# KiCad board plz actually have soldermask.kicad_pcb (continued)
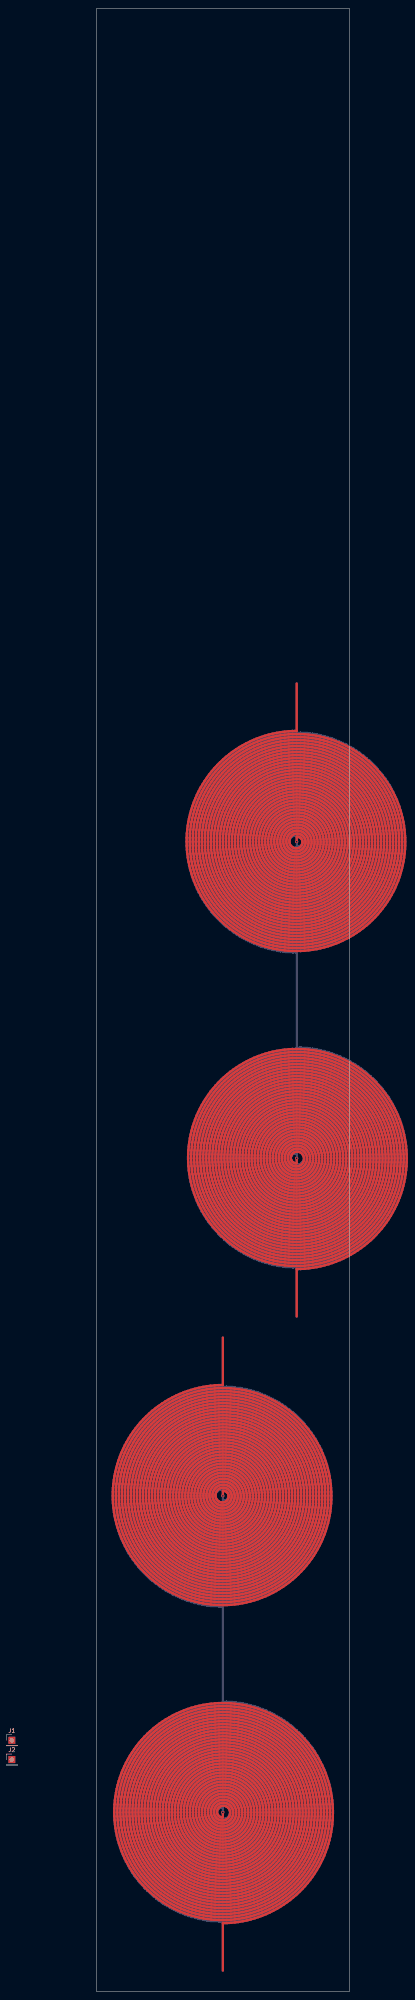
[diagram p0: board, top side]
## Routing (per net, layer and track width the routed paths; a pad name or vN(x,y) marks a point on that pad's centre or on a via; arc(x,y) is an arc through that point) (continued)
21.54,131.38 22.25,131.89 22.99,132.35 23.75,132.77 24.54,133.15 25.35,133.48 26.18,133.76 27.02,133.99 27.87,134.17 28.74,134.3 29.61,134.39 30.48,134.42 31.32,134.4 32.17,134.34 33,134.23 33.83,134.07 34.65,133.86 35.46,133.61 36.25,133.32 37.03,132.98 37.78,132.59 38.52,132.17 39.22,131.7 39.91,131.2 40.56,130.66 41.18,130.08 41.77,129.47 42.32,128.82 42.84,128.15 43.31,127.44 43.75,126.71 44.15,125.96 44.5,125.19 44.81,124.39 45.08,123.58 45.29,122.76 45.47,121.93 45.59,121.08 45.67,120.23 45.7,119.38 45.68,118.53 45.62,117.67 45.51,116.83 45.35,115.99 45.14,115.16 44.88,114.34 44.59,113.54 44.24,112.75 43.85,111.99 43.42,111.25 42.95,110.53 42.44,109.84 41.89,109.18 41.31,108.55 40.69,107.96 40.04,107.4 39.35,106.88 38.64,106.39 37.9,105.95 37.14,105.55 36.36,105.19 35.55,104.88 34.74,104.61 33.9,104.39 33.06,104.21 32.2,104.09 31.34,104.01 30.48,103.98 29.62,103.99 28.75,104.06 27.9,104.17 27.05,104.34 26.21,104.55 25.38,104.8 24.57,105.11 23.77,105.46 23,105.85 22.25,106.28 21.53,106.76 20.83,107.28 20.16,107.83 19.52,108.42 18.92,109.05 18.36,109.71 17.83,110.4 17.34,111.12 16.89,111.87 16.48,112.64 16.12,113.43 15.81,114.25 15.54,115.07 15.31,115.92 15.13,116.77 15.01,117.64 14.93,118.51 14.89,119.38 14.91,120.25 14.98,121.13 15.1,121.99 15.26,122.85 15.47,123.7 15.73,124.54 16.04,125.36 16.39,126.16 16.79,126.95 17.23,127.71 17.71,128.44 18.23,129.15 18.8,129.82 19.4,130.46 20.03,131.07 20.7,131.65 21.4,132.18 22.13,132.68 22.88,133.13 23.66,133.54 24.46,133.9 25.29,134.23 26.12,134.5 26.98,134.73 27.84,134.91 28.72,135.03 29.6,135.12 30.48,135.15 31.33,135.13 32.19,135.07 33.03,134.96 33.87,134.8 34.71,134.6 35.53,134.36 36.33,134.07 37.12,133.74 37.89,133.36 38.64,132.94 39.37,132.49 40.07,131.99 40.74,131.46 41.38,130.89 42,130.29 42.57,129.65 43.12,128.99 43.62,128.29 44.09,127.57 44.52,126.82 44.91,126.06 45.26,125.27 45.56,124.46 45.82,123.64 46.03,122.8 46.2,121.96 46.32,121.1 46.4,120.24 46.43,119.38 46.41,118.52 46.35,117.65 46.24,116.8 46.08,115.95 45.88,115.1 45.63,114.28 45.34,113.46 45,112.66 44.62,111.88 44.2,111.13 43.74,110.39 43.24,109.68 42.7,109 42.12,108.35 41.51,107.73 40.87,107.15 40.2,106.6 39.49,106.09 38.76,105.61 38.01,105.18 37.23,104.79 36.43,104.44 35.62,104.13 34.79,103.87 33.94,103.65 33.09,103.48 32.22,103.36 31.35,103.28 30.48,103.25 29.61,103.27 28.73,103.33 27.87,103.44 27.01,103.6 26.16,103.81 25.32,104.06 24.49,104.35 23.69,104.69 22.9,105.08 22.13,105.5 21.39,105.97 20.67,106.48 19.98,107.02 19.33,107.61 18.7,108.22 18.11,108.87 17.55,109.55 17.04,110.26 16.56,111 16.12,111.77 15.72,112.55 15.37,113.36 15.06,114.18 14.79,115.02 14.57,115.88 14.4,116.74 14.28,117.62 14.2,118.5 14.17,119.38 14.19,120.26 14.25,121.15 14.36,122.02 14.52,122.89 14.73,123.75 14.99,124.6 15.29,125.43 15.63,126.25 16.02,127.05 16.45,127.82 16.92,128.57 17.43,129.3 17.99,129.99 18.57,130.66 19.2,131.29 19.85,131.89 20.54,132.45 21.26,132.97 22.01,133.46 22.78,133.9 23.58,134.3 24.39,134.66 25.23,134.97 26.08,135.24 26.94,135.46 27.81,135.64 28.7,135.76 29.59,135.84 30.48,135.87 31.34,135.86 32.21,135.8 33.06,135.69 33.91,135.54 34.76,135.34 35.59,135.1 36.41,134.82 37.21,134.49 37.99,134.12 38.76,133.72 39.5,133.27 40.22,132.78 40.91,132.26 41.57,131.7 42.21,131.11 42.81,130.48 43.38,129.82 43.91,129.14 44.41,128.43 44.87,127.69 45.29,126.93 45.67,126.14 46.01,125.34 46.31,124.52 46.56,123.69 46.77,122.84 46.93,121.99 47.05,121.12 47.13,120.25 47.16,119.38 47.14,118.51 47.08,117.64 46.97,116.77 46.82,115.91 46.62,115.06 46.37,114.22 46.09,113.39 45.76,112.58 45.39,111.78 44.97,111.01 44.52,110.26 44.03,109.54 43.5,108.84 42.94,108.16 42.34,107.52 41.7,106.92 41.04,106.34 40.35,105.8 39.62,105.3 38.88,104.83 38.11,104.41 37.32,104.02 36.51,103.68 35.68,103.38 34.84,103.13 33.98,102.91 33.11,102.75 32.24,102.63 31.36,102.55 30.48,102.52 29.6,102.54 28.72,102.6 27.84,102.71 26.97,102.87 26.11,103.07 25.26,103.31 24.42,103.6 23.6,103.94 22.8,104.31 22.02,104.73 21.26,105.19 20.53,105.68 19.82,106.22 19.14,106.79 18.5,107.4 17.88,108.04 17.3,108.71 16.75,109.41 16.25,110.14 15.78,110.89 15.35,111.67 14.96,112.47 14.61,113.29 14.31,114.13 14.05,114.98 13.84,115.84 13.67,116.72 13.55,117.6 13.47,118.49 13.44,119.38 13.46,120.27 13.52,121.16 13.63,122.05 13.79,122.93 13.99,123.8 14.24,124.66 14.53,125.5 14.87,126.33 15.25,127.14 15.67,127.93 16.13,128.7 16.64,129.44 17.18,130.15 17.75,130.84 18.37,131.49 19.01,132.11 19.69,132.7 20.4,133.25 21.14,133.77 21.9,134.24 22.69,134.68 23.5,135.07 24.32,135.42 25.17,135.72 26.03,135.98 26.9,136.2 27.79,136.37 28.68,136.49 29.58,136.57 30.48,136.6 31.35,136.58 32.22,136.52 33.09,136.42 33.95,136.27 34.8,136.08 35.65,135.84 36.48,135.57 37.29,135.25 38.09,134.89 38.87,134.49 39.62,134.05 40.36,133.57 41.07,133.06 41.75,132.51 42.41,131.93 43.03,131.31 43.62,130.66 44.18,129.99 44.71,129.28 45.19,128.55 45.64,127.8 46.06,127.02 46.43,126.22 46.76,125.41 47.05,124.58 47.3,123.73 47.5,122.88 47.66,122.01 47.78,121.14 47.85,120.26 47.88,119.38 47.87,118.5 47.81,117.62 47.7,116.74 47.55,115.87 47.36,115.01 47.12,114.16 46.84,113.32 46.52,112.5 46.15,111.69 45.75,110.91 45.3,110.14 44.82,109.4 44.3,108.68 43.75,107.99 43.16,107.33 42.53,106.7 41.88,106.1 41.2,105.53 40.49,105.01 39.75,104.51 38.99,104.06 38.2,103.64 37.4,103.26 36.57,102.93 35.73,102.64 34.88,102.39 34.02,102.18 33.14,102.02 32.26,101.9 31.37,101.82 30.48,101.8 29.59,101.81 28.7,101.87 27.81,101.98 26.94,102.13 26.07,102.33 25.21,102.57 24.36,102.85 23.53,103.18 22.71,103.55 21.92,103.95 21.14,104.4 20.39,104.89 19.67,105.41 18.97,105.98 18.3,106.57 17.67,107.2 17.06,107.86 16.49,108.55 15.96,109.27 15.46,110.02 15,110.79 14.58,111.58 14.2,112.39 13.86,113.22 13.56,114.07 13.31,114.93 13.1,115.81 12.94,116.69 12.82,117.58 12.74,118.48 12.71,119.38 12.73,120.28 12.79,121.18 12.9,122.07 13.05,122.96 13.25,123.84 13.49,124.71 13.78,125.56 14.11,126.4 14.48,127.23 14.89,128.03 15.35,128.81 15.84,129.57 16.37,130.3 16.94,131.01 17.54,131.68 18.18,132.32 18.84,132.94 19.54,133.51 20.27,134.05 21.02,134.56 21.8,135.02 22.6,135.45 23.42,135.83 24.26,136.17 25.12,136.47 25.99,136.73 26.87,136.94 27.76,137.1 28.67,137.22 29.57,137.3 30.48,137.33 31.36,137.31 32.24,137.25 33.12,137.15 33.99,137.01 34.85,136.82 35.7,136.59 36.54,136.32 37.37,136 38.18,135.65 38.97,135.26 39.74,134.83 40.49,134.36 41.22,133.86 41.92,133.32 42.59,132.74 43.24,132.14 43.85,131.5 44.43,130.83 44.98,130.14 45.5,129.41 45.98,128.67 46.42,127.9 46.82,127.11 47.19,126.3 47.51,125.47 47.8,124.63 48.04,123.78 48.24,122.91 48.4,122.04 48.51,121.16 48.58,120.27 48.61,119.38 48.59,118.49 48.53,117.6 48.43,116.72 48.28,115.84 48.09,114.97 47.86,114.11 47.59,113.26 47.27,112.42 46.92,111.61 46.52,110.81 46.08,110.03 45.61,109.27 45.1,108.54 44.56,107.83 43.98,107.15 43.36,106.5 42.72,105.88 42.05,105.29 41.34,104.73 40.62,104.21 39.86,103.73 39.09,103.28 38.29,102.87 37.47,102.5 36.64,102.18 35.79,101.89 34.92,101.64 34.05,101.44 33.16,101.28 32.27,101.17 31.38,101.1 30.48,101.07 29.58,101.08 28.68,101.15 27.79,101.25 26.9,101.4 26.02,101.59 25.15,101.82 24.3,102.1 23.46,102.42 22.63,102.78 21.82,103.18 21.03,103.62 20.27,104.1 19.53,104.61 18.81,105.16 18.13,105.75 17.47,106.37 16.84,107.02 16.25,107.7 15.69,108.41 15.16,109.14 14.67,109.9 14.22,110.69 13.81,111.49 13.44,112.32 13.11,113.16 12.82,114.02 12.57,114.89 12.36,115.78 12.2,116.67 12.09,117.57 12.01,118.47 11.99,119.38 12,120.29 12.06,121.19 12.17,122.1 12.32,122.99 12.51,123.88 12.75,124.76 13.03,125.62 13.35,126.47 13.72,127.31 14.12,128.12 14.56,128.92 15.05,129.69 15.57,130.44 16.12,131.16 16.71,131.86 17.34,132.52 18,133.15 18.68,133.75 19.4,134.32 20.14,134.85 20.91,135.34 21.7,135.8 22.52,136.22 23.35,136.59 24.2,136.93 25.07,137.22 25.95,137.47 26.84,137.67 27.74,137.84 28.65,137.95 29.56,138.03 30.48,138.06 31.37,138.04 32.26,137.98 33.14,137.88 34.02,137.74 34.89,137.56 35.75,137.33 36.6,137.06 37.44,136.76 38.26,136.41 39.06,136.03 39.85,135.61 40.61,135.15 41.35,134.65 42.07,134.12 42.76,133.56 43.43,132.96 44.06,132.33 44.67,131.67 45.24,130.99 45.78,130.28 46.29,129.54 46.76,128.78 47.19,128 47.59,127.19 47.95,126.37 48.26,125.53 48.54,124.68 48.78,123.82 48.97,122.94 49.13,122.06 49.24,121.17 49.31,120.28 49.34,119.38 49.32,118.48 49.26,117.59 49.16,116.69 49.02,115.81 48.83,114.93 48.6,114.06 48.34,113.2 48.03,112.36 47.68,111.53 47.29,110.71 46.86,109.92 46.4,109.15 45.9,108.4 45.36,107.68 44.79,106.98 44.19,106.31 43.56,105.66 42.89,105.05 42.2,104.48 41.48,103.93 40.74,103.42 39.97,102.94 39.18,102.51 38.37,102.11 37.54,101.75 36.69,101.43 35.83,101.14 34.96,100.9 34.08,100.71 33.19,100.55 32.29,100.44 31.39,100.37 30.48,100.34 29.57,100.36 28.67,100.42 27.77,100.52 26.87,100.66 25.99,100.85 25.11,101.08 24.24,101.35 23.39,101.66 22.55,102.02 21.73,102.41 20.93,102.84 20.15,103.31 19.4,103.81 18.66,104.35 17.96,104.93 17.28,105.54 16.63,106.18 16.02,106.85 15.43,107.55 14.88,108.27 14.37,109.02 13.89,109.8 13.45,110.6 13.04,111.42 12.68,112.25 12.35,113.11 12.07,113.97 11.83,114.86 11.63,115.75 11.47,116.65 11.36,117.55 11.29,118.47 11.26,119.38 11.28,120.29 11.34,121.21 11.44,122.12 11.59,123.02 11.77,123.92 12.01,124.8 12.28,125.68 12.6,126.54 12.95,127.38 13.35,128.21 13.78,129.02 14.26,129.81 14.77,130.57 15.31,131.31 15.89,132.02 16.51,132.7 17.15,133.36 17.83,133.98 18.53,134.57 19.27,135.13 20.03,135.65 20.81,136.13 21.61,136.58 22.44,136.98 23.29,137.35 24.15,137.68 25.02,137.96 25.91,138.21 26.81,138.41 27.72,138.57 28.64,138.68 29.56,138.75 30.48,138.78 31.38,138.77 32.27,138.71 33.16,138.61 34.05,138.47 34.93,138.29 35.8,138.07 36.66,137.81 37.5,137.51 38.34,137.17 39.15,136.8 39.95,136.38 40.73,135.93 41.48,135.44 42.22,134.92 42.93,134.37 43.61,133.78 44.26,133.16 44.89,132.52 45.48,131.84 46.05,131.14 46.58,130.41 47.08,129.66 47.54,128.88 47.96,128.09 48.35,127.27 48.7,126.44 49.01,125.59 49.29,124.73 49.52,123.86 49.71,122.97 49.86,122.08 49.97,121.19 50.04,120.28 50.06,119.38 50.05,118.48 49.99,117.57 49.89,116.67 49.75,115.78 49.57,114.89 49.35,114.01 49.08,113.14 48.78,112.29 48.44,111.45 48.06,110.63 47.64,109.82 47.18,109.04 46.69,108.27 46.17,107.53 45.61,106.82 45.02,106.13 44.39,105.47 43.74,104.84 43.06,104.24 42.35,103.67 41.61,103.13 40.85,102.63 40.07,102.16 39.27,101.73 38.44,101.34 37.6,100.99 36.75,100.67 35.88,100.4 35,100.17 34.11,99.97 33.21,99.82 32.3,99.71 31.39,99.64 30.48,99.61 29.57,99.63 28.66,99.69 27.75,99.79 26.84,99.93 25.95,100.11 25.06,100.34 24.19,100.6 23.32,100.91 22.48,101.25 21.65,101.64 20.83,102.06 20.04,102.52 19.27,103.02 18.52,103.55 17.8,104.11 17.11,104.71 16.44,105.34 15.8,106 15.2,106.69 14.62,107.4 14.08,108.15 13.58,108.91 13.11,109.7 12.67,110.51 12.28,111.34 11.92,112.19 11.6,113.05 11.33,113.93 11.09,114.82 10.89,115.72 10.74,116.63 10.63,117.54 10.56,118.46 10.53,119.38 10.55,120.3 10.61,121.22 10.71,122.14 10.85,123.05 11.04,123.95 11.26,124.85 11.53,125.73 11.84,126.6 12.19,127.46 12.58,128.3 13,129.12 13.47,129.91 13.97,130.69 14.5,131.45 15.07,132.17 15.68,132.88 16.31,133.55 16.98,134.19 17.67,134.8 18.39,135.38 19.14,135.93 19.92,136.44 20.71,136.91 21.53,137.35 22.37,137.75 23.22,138.11 24.1,138.43 24.98,138.71 25.88,138.95 26.79,139.15 27.7,139.3 28.62,139.41 29.55,139.48 30.48,139.51 31.38,139.49 32.29,139.44 33.18,139.34 34.08,139.21 34.96,139.03 35.84,138.81 36.71,138.56 37.57,138.26 38.41,137.93 39.24,137.56 40.05,137.16 40.84,136.71 41.61,136.24 42.35,135.72 43.08,135.18 43.78,134.6 44.45,133.99 45.1,133.35 45.71,132.69 46.3,131.99 46.85,131.28 47.37,130.53 47.86,129.77 48.32,128.98 48.73,128.17 49.11,127.34 49.46,126.5 49.76,125.65 50.03,124.78 50.26,123.89 50.44,123 50.59,122.1 50.7,121.2 50.77,120.29 50.79,119.38 50.78,118.47 50.72,117.56 50.62,116.65 50.48,115.75 50.31,114.85 50.09,113.97 49.83,113.09 49.53,112.23 49.2,111.38 48.83,110.54 48.42,109.73 47.97,108.93 47.49,108.15 46.97,107.4 46.42,106.67 45.84,105.96 45.22,105.28 44.58,104.63 43.91,104.01 43.21,103.42 42.48,102.86 41.73,102.33 40.96,101.84 40.16,101.38 39.35,100.96 38.52,100.58 37.67,100.23 36.8,99.93 35.92,99.66 35.03,99.43 34.14,99.24 33.23,99.09 32.32,98.98 31.4,98.91 30.48,98.89 29.56,98.9 28.64,98.96 27.73,99.06 26.82,99.2 25.91,99.38 25.02,99.6 24.14,99.86 23.26,100.16 22.41,100.49 21.57,100.87 20.74,101.28 19.94,101.73 19.15,102.22 18.39,102.74 17.65,103.3 16.94,103.89 16.26,104.5 15.6,105.15 14.97,105.83 14.38,106.54 13.81,107.27 13.28,108.03 12.79,108.81 12.32,109.61 11.9,110.43 11.51,111.27 11.16,112.13 10.85,113 10.58,113.89 10.35,114.79 10.16,115.69 10.01,116.61 9.9,117.53 9.83,118.45 9.81,119.38 9.82,120.31 9.88,121.23 9.98,122.16 10.12,123.08 10.3,123.99 10.52,124.89 10.78,125.78 11.09,126.66 11.43,127.52 11.81,128.37 12.22,129.2 12.68,130.02 13.17,130.81 13.7,131.57 14.26,132.32 14.85,133.04 15.47,133.73 16.13,134.39 16.81,135.02 17.53,135.62 18.26,136.19 19.03,136.73 19.81,137.23 20.62,137.7 21.45,138.12 22.3,138.51 23.17,138.87 24.05,139.18 24.94,139.45 25.84,139.69 26.76,139.88 27.68,140.03 28.61,140.14 29.54,140.21 30.48,140.24 31.39,140.22 32.3,140.17 33.2,140.07 34.11,139.94 35,139.77 35.89,139.55 36.76,139.3 37.63,139.02 38.48,138.69 39.32,138.33 40.14,137.93 40.94,137.49 41.72,137.03 42.48,136.52 43.22,135.99 43.94,135.42 44.63,134.82 45.29,134.19 45.93,133.53 46.53,132.85 47.11,132.14 47.66,131.41 48.17,130.65 48.65,129.87 49.09,129.07 49.5,128.25 49.87,127.41 50.21,126.56 50.51,125.7 50.77,124.82 50.99,123.93 51.18,123.03 51.32,122.12 51.43,121.21 51.49,120.3 51.52,119.38 51.5,118.46 51.45,117.55 51.35,116.63 51.22,115.72 51.04,114.82 50.83,113.93 50.58,113.04 50.29,112.17 49.96,111.31 49.59,110.47 49.19,109.64 48.75,108.83 48.28,108.04 47.77,107.27 47.23,106.53 46.66,105.81 46.05,105.11 45.42,104.44 44.76,103.8 44.07,103.19 43.35,102.61 42.61,102.06 41.85,101.54 41.06,101.06 40.25,100.61 39.43,100.19 38.58,99.82 37.72,99.48 36.85,99.18 35.96,98.91 35.07,98.69 34.16,98.5 33.25,98.36 32.33,98.25 31.41,98.19 30.48,98.16 29.55,98.18 28.63,98.23 27.71,98.33 26.79,98.46 25.88,98.64 24.98,98.85 24.09,99.11 23.21,99.4 22.34,99.73 21.49,100.1 20.66,100.51 19.84,100.95 19.04,101.43 18.27,101.94 17.52,102.49 16.79,103.06 16.09,103.67 15.41,104.31 14.76,104.98 14.15,105.68 13.56,106.4 13.01,107.15 12.49,107.92 12,108.71 11.55,109.52 11.13,110.36 10.75,111.21 10.41,112.07 10.1,112.96 9.84,113.85 9.61,114.75 9.42,115.67 9.28,116.59 9.17,117.52 9.1,118.45 9.08,119.38 9.09,120.31 9.15,121.25 9.25,122.18 9.38,123.1 9.56,124.02 9.78,124.93 10.04,125.83 10.33,126.71 10.67,127.59 11.04,128.45 11.45,129.29 11.89,130.11 12.38,130.91 12.89,131.7 13.44,132.45 14.02,133.19 14.64,133.9 15.28,134.58 15.96,135.23 16.66,135.85 17.39,136.44 18.14,137 18.92,137.53 19.72,138.02 20.54,138.48 21.38,138.9 22.24,139.28 23.11,139.62 24,139.93 24.9,140.2 25.81,140.43 26.74,140.62 27.66,140.76 28.6,140.87 29.54,140.94 30.48,140.96 31.4,140.95 32.31,140.9 33.22,140.8 34.13,140.67 35.03,140.5 35.93,140.3 36.81,140.05 37.68,139.77 38.54,139.45 39.39,139.09 40.22,138.7 41.03,138.27 41.83,137.81 42.6,137.32 43.36,136.79 44.09,136.23 44.79,135.64 45.48,135.03 46.13,134.38 46.76,133.7 47.35,133 47.92,132.28 48.46,131.53 48.96,130.76 49.43,129.97 49.87,129.15 50.27,128.32 50.63,127.48 50.96,126.62 51.26,125.74 51.51,124.86 51.73,123.96 51.91,123.05 52.05,122.14 52.16,121.22 52.22,120.3 52.24,119.38 52.23,118.46 52.18,117.53 52.08,116.61 51.95,115.7 51.78,114.79 51.57,113.89 51.32,113 51.04,112.12 50.72,111.25 50.36,110.39 49.96,109.56 49.53,108.74 49.07,107.94 48.57,107.15 48.04,106.39 47.47,105.66 46.88,104.95 46.26,104.26 45.6,103.6 44.92,102.97 44.22,102.37 43.49,101.79 42.73,101.25 41.95,100.75 41.15,100.27 40.34,99.83 39.5,99.43 38.65,99.06 37.78,98.72 36.9,98.43 36,98.17 35.1,97.95 34.19,97.77 33.27,97.63 32.34,97.52 31.41,97.46 30.48,97.43 29.55,97.45 28.62,97.5 27.69,97.6 26.77,97.73 25.85,97.9 24.94,98.11 24.04,98.36 23.16,98.65 22.28,98.98 21.42,99.34 20.58,99.74 19.75,100.17 18.94,100.64 18.15,101.14 17.39,101.68 16.64,102.24 15.93,102.84 15.23,103.47 14.57,104.13 13.93,104.82 13.32,105.53 12.75,106.27 12.2,107.03 11.69,107.81 11.21,108.62 10.77,109.44 10.36,110.29 9.99,111.15 9.65,112.02 9.35,112.91 9.09,113.81 8.87,114.72 8.69,115.64 8.55,116.57 8.44,117.5 8.38,118.44 8.35,119.38 8.37,120.32 8.42,121.26 8.52,122.19 8.65,123.12 8.82,124.05 9.04,124.96 9.29,125.87 9.58,126.76 9.91,127.65 10.27,128.51 10.67,129.37 11.11,130.2 11.58,131.02 12.09,131.81 12.63,132.58 13.2,133.33 13.81,134.05 14.44,134.75 15.1,135.42 15.8,136.06 16.51,136.68 17.26,137.26 18.03,137.81 18.82,138.32 19.63,138.81 20.46,139.25 21.31,139.66 22.18,140.04 23.06,140.38 23.96,140.68 24.87,140.94 25.78,141.17 26.71,141.35 27.65,141.49 28.59,141.6 29.53,141.66 30.48,141.69 31.4,141.68 32.32,141.62 33.24,141.53 34.16,141.4 35.06,141.24 35.96,141.04 36.86,140.79 37.74,140.52 38.61,140.2 39.46,139.85 40.3,139.47 41.13,139.05 41.93,138.6 42.72,138.11 43.49,137.6 44.23,137.05 44.95,136.47 45.65,135.86 46.32,135.22 46.96,134.55 47.58,133.86 48.17,133.15 48.73,132.41 49.25,131.65 49.75,130.86 50.21,130.06 50.64,129.24 51.03,128.4 51.39,127.54 51.72,126.67 52,125.79 52.26,124.89 52.47,123.99 52.65,123.08 52.78,122.16 52.89,121.24 52.95,120.31 52.97,119.38 52.96,118.45 52.9,117.52 52.81,116.6 52.68,115.67 52.52,114.76 52.31,113.85 52.07,112.95 51.79,112.06 51.47,111.19 51.12,110.33 50.73,109.48 50.31,108.65 49.86,107.83 49.37,107.04 48.84,106.27 48.29,105.52 47.71,104.79 47.09,104.09 46.45,103.41 45.78,102.76 45.08,102.14 44.36,101.55 43.61,100.99 42.84,100.45 42.05,99.96 41.24,99.49 40.42,99.06 39.57,98.66 38.71,98.3 37.83,97.97 36.94,97.68 36.04,97.43 35.13,97.21 34.21,97.03 33.28,96.89 32.35,96.79 31.42,96.73 30.48,96.71 29.54,96.72 28.61,96.77 27.67,96.87 26.74,97 25.82,97.17 24.91,97.37 24,97.62 23.11,97.9 22.22,98.22 21.35,98.57 20.5,98.96 19.66,99.39 18.84,99.85 18.04,100.34 17.26,100.87 16.51,101.43 15.77,102.02 15.07,102.64 14.38,103.28 13.73,103.96 13.1,104.66 12.5,105.39 11.94,106.14 11.4,106.92 10.9,107.71 10.43,108.53 9.99,109.37 9.59,110.22 9.23,111.09 8.9,111.97 8.61,112.87 8.35,113.78 8.13,114.69 7.96,115.62 7.81,116.55 7.71,117.49 7.65,118.44 7.62,119.38 7.64,120.32 7.69,121.27 7.79,122.21 7.92,123.14 8.09,124.08 8.3,125 8.54,125.91 8.83,126.81 9.15,127.7 9.51,128.58 9.9,129.44 10.33,130.29 10.79,131.11 11.29,131.92 11.82,132.7 12.38,133.46 12.98,134.2 13.6,134.92 14.25,135.61 14.94,136.27 15.64,136.9 16.38,137.5 17.14,138.07 17.92,138.61 18.72,139.12 19.54,139.59 20.39,140.03 21.25,140.43 22.12,140.8 23.01,141.13 23.92,141.43 24.83,141.68 25.76,141.9 26.69,142.08 27.63,142.23 28.58,142.33 29.53,142.39 30.48,142.42 31.41,142.4 32.33,142.35 33.26,142.26 34.18,142.14 35.09,141.97 36,141.77 36.9,141.54 37.79,141.27 38.66,140.96 39.53,140.62 40.38,140.24 41.21,139.83 42.03,139.38 42.83,138.91 43.61,138.4 44.36,137.86 45.1,137.29 45.81,136.69 46.5,136.06 47.16,135.4 47.8,134.72 48.4,134.01 48.98,133.28 49.53,132.53 50.05,131.75 50.54,130.96 50.99,130.14 51.41,129.31 51.8,128.46 52.15,127.6 52.47,126.72 52.75,125.83 53,124.93 53.21,124.02 53.38,123.1 53.52,122.18 53.61,121.25 53.68,120.31 53.7,119.38 53.68,118.44 53.63,117.51 53.54,116.58 53.42,115.65 53.25,114.73 53.05,113.82 52.81,112.91 52.54,112.02 52.23,111.13 51.88,110.26 51.5,109.4 51.09,108.56 50.64,107.74 50.16,106.94 49.65,106.15 49.1,105.39 48.53,104.65 47.92,103.93 47.29,103.23 46.63,102.57 45.94,101.93 45.23,101.32 44.49,100.73 43.73,100.18 42.95,99.66 42.15,99.17 41.33,98.71 40.49,98.29 39.63,97.89 38.76,97.54 37.88,97.22 36.98,96.93 36.07,96.69 35.16,96.48 34.23,96.3 33.3,96.16 32.36,96.06 31.42,96 30.48,95.98 29.54,95.99 28.6,96.05 27.66,96.14 26.72,96.26 25.79,96.43 24.87,96.63 23.96,96.87 23.06,97.15 22.17,97.46 21.29,97.81 20.43,98.19 19.58,98.61 18.75,99.06 17.94,99.55 17.15,100.06 16.38,100.61 15.63,101.19 14.91,101.8 14.21,102.44 13.54,103.11 12.89,103.8 12.27,104.52 11.69,105.26 11.13,106.02 10.6,106.81 10.11,107.62 9.65,108.45 9.22,109.29 8.83,110.15 8.47,111.03 8.15,111.92 7.86,112.83 7.61,113.74 7.4,114.67 7.22,115.6 7.08,116.54 6.98,117.48 6.92,118.43 6.9,119.38 6.91,120.33 6.96,121.28 7.06,122.22 7.18,123.17 7.35,124.1 7.56,125.03 7.8,125.95 8.08,126.86 8.39,127.76 8.74,128.64 9.13,129.51 9.55,130.37 10,131.2 10.49,132.02 11.01,132.82 11.57,133.59 12.15,134.34 12.77,135.07 13.41,135.78 14.08,136.45 14.78,137.1 15.5,137.73 16.25,138.32 17.02,138.88 17.81,139.41 18.63,139.91 19.46,140.37 20.31,140.8 21.18,141.2 22.07,141.56 22.97,141.89 23.88,142.17 24.8,142.43 25.73,142.64 26.67,142.82 27.62,142.96 28.57,143.06 29.52,143.12 30.48,143.14 31.41,143.13 32.35,143.08 33.27,142.99 34.2,142.87 35.12,142.71 36.03,142.51 36.94,142.28 37.83,142.02 38.72,141.71 39.59,141.38 40.45,141.01 41.29,140.6 42.12,140.17 42.93,139.7 43.72,139.2 44.49,138.66 45.24,138.1 45.97,137.51 46.67,136.89 47.35,136.25 48,135.58 48.63,134.88 49.22,134.16 49.79,133.41 50.33,132.65 50.84,131.86 51.32,131.05 51.77,130.23 52.18,129.38 52.56,128.53 52.91,127.65 53.22,126.77 53.5,125.87 53.74,124.96 53.94,124.05 54.11,123.12 54.25,122.19 54.34,121.26 54.4,120.32 54.43,119.38 54.41,118.44 54.36,117.5 54.27,116.56 54.15,115.63 53.99,114.7 53.79,113.78 53.56,112.87 53.29,111.97 52.98,111.08 52.64,110.2 52.27,109.33 51.86,108.48 51.42,107.65 50.95,106.84 50.45,106.04 49.91,105.26 49.35,104.51 48.75,103.78 48.13,103.07 47.48,102.38 46.8,101.73 46.1,101.1 45.37,100.49 44.62,99.92 43.85,99.38 43.05,98.86 42.24,98.38 41.41,97.93 40.56,97.51 39.7,97.13 38.82,96.78 37.92,96.47 37.02,96.19 36.11,95.95 35.18,95.74 34.25,95.57 33.31,95.43 32.37,95.34 31.43,95.28 30.48,95.25 29.53,95.27 28.59,95.32 27.64,95.41 26.7,95.53 25.77,95.69 24.84,95.89 23.92,96.13 23.01,96.4 22.11,96.71 21.23,97.05 20.36,97.42 19.5,97.83 18.66,98.28 17.84,98.75 17.04,99.26 16.26,99.8 15.49,100.37 14.76,100.97 14.04,101.6 13.36,102.26 12.69,102.94 12.06,103.65 11.45,104.38 10.87,105.13 10.32,105.91 9.81,106.71 9.32,107.53 8.87,108.37 8.45,109.22 8.06,110.09 7.71,110.98 7.4,111.88 7.11,112.79 6.87,113.71 6.66,114.64 6.49,115.58 6.35,116.52 6.25,117.47 6.19,118.43 6.17,119.38 6.18,120.33 6.24,121.29 6.33,122.24 6.45,123.19 6.62,124.13 6.82,125.06 7.05,125.99 7.33,126.9 7.63,127.81 7.98,128.7 8.36,129.58 8.77,130.44 9.22,131.29 9.7,132.11 10.21,132.92 10.75,133.71 11.33,134.48 11.93,135.22 12.57,135.94 13.23,136.63 13.91,137.3 14.63,137.94 15.37,138.55 16.13,139.13 16.91,139.69 17.72,140.21 18.54,140.7 19.39,141.15 20.25,141.58 21.13,141.96 22.02,142.32 22.92,142.64 23.84,142.92 24.77,143.17 25.71,143.38 26.65,143.55 27.6,143.69 28.56,143.79 29.52,143.85 30.48,143.87 31.42,143.86 32.36,143.81 33.29,143.72 34.22,143.6 35.15,143.44 36.07,143.25 36.98,143.03 37.88,142.76 38.77,142.47 39.65,142.14 40.52,141.77 41.37,141.38 42.21,140.95 43.03,140.49 43.83,139.99 44.61,139.47 45.37,138.92 46.11,138.34 46.83,137.73 47.52,137.09 48.19,136.43 48.84,135.74 49.45,135.03 50.04,134.29 50.6,133.53 51.13,132.76 51.63,131.96 52.1,131.14 52.54,130.3 52.95,129.45 53.32,128.59 53.66,127.71 53.97,126.81 54.24,125.91 54.48,125 54.68,124.07 54.85,123.14 54.98,122.21 55.07,121.27 55.13,120.32 55.15,119.38 55.14,118.43 55.09,117.49 55,116.55 54.88,115.61 54.72,114.68 54.53,113.75 54.3,112.83 54.04,111.93 53.74,111.03 53.41,110.14 53.04,109.27 52.64,108.41 52.21,107.57 51.74,106.74 51.25,105.93 50.72,105.14 50.16,104.38 49.58,103.63 48.96,102.91 48.32,102.21 47.65,101.54 46.96,100.89 46.24,100.27 45.5,99.67 44.74,99.11 43.95,98.57 43.15,98.07 42.33,97.6 41.48,97.15 40.63,96.74 39.75,96.37 38.87,96.03 37.97,95.72 37.06,95.44 36.14,95.21 35.21,95 34.27,94.83 33.33,94.7 32.38,94.61 31.43,94.55 30.48,94.53 29.53,94.54 28.58,94.59 27.63,94.68 26.68,94.8 25.74,94.96 24.81,95.15 23.89,95.38 22.97,95.65 22.07,95.95 21.17,96.29 20.29,96.66 19.43,97.06 18.58,97.49 17.75,97.96 16.93,98.46 16.14,98.99 15.37,99.55 14.62,100.14 13.89,100.76 13.18,101.41 12.5,102.08 11.85,102.78 11.23,103.5 10.63,104.25 10.06,105.02 9.52,105.81 9.01,106.62 8.54,107.45 8.09,108.29 7.68,109.16 7.3,110.04 6.95,110.93 6.64,111.84 6.37,112.75 6.13,113.68 5.92,114.62 5.75,115.56 5.62,116.51 5.53,117.46 5.47,118.42 5.44,119.38 5.46,120.34 5.51,121.3 5.6,122.25 5.72,123.2 5.88,124.15 6.08,125.09 6.31,126.02 6.58,126.94 6.88,127.86 7.22,128.76 7.59,129.64 8,130.51 8.43,131.37 8.91,132.21 9.41,133.03 9.94,133.82 10.51,134.6 11.1,135.36 11.73,136.09 12.38,136.8 13.05,137.49 13.76,138.14 14.49,138.77 15.24,139.38 16.01,139.95 16.81,140.49 17.62,141 18.46,141.48 19.31,141.93 20.18,142.35 21.07,142.73 21.97,143.08 22.88,143.39 23.81,143.67 24.74,143.91 25.68,144.11 26.63,144.28 27.59,144.42 28.55,144.52 29.51,144.58 30.48,144.6 31.42,144.58 32.37,144.54 33.3,144.45 34.24,144.33 35.17,144.18 36.1,143.99 37.01,143.77 37.92,143.51 38.82,143.22 39.71,142.9 40.58,142.54 41.44,142.15 42.29,141.73 43.12,141.27 43.93,140.79 44.72,140.27 45.5,139.73 46.25,139.16 46.98,138.56 47.69,137.93 48.38,137.28 49.04,136.6 49.67,135.89 50.28,135.17 50.86,134.42 51.41,133.65 51.93,132.86 52.42,132.05 52.89,131.22 53.32,130.38 53.72,129.52 54.08,128.64 54.42,127.76 54.72,126.86 54.99,125.95 55.22,125.03 55.42,124.1 55.58,123.16 55.71,122.22 55.8,121.28 55.86,120.33 55.88,119.38 55.87,118.43 55.82,117.48 55.73,116.53 55.61,115.59 55.46,114.65 55.27,113.72 55.04,112.8 54.78,111.88 54.49,110.98 54.16,110.08 53.8,109.2 53.41,108.34 52.99,107.49 52.53,106.65 52.04,105.83 51.52,105.03 50.98,104.25 50.4,103.49 49.79,102.76 49.16,102.04 48.5,101.36 47.82,100.69 47.11,100.05 46.38,99.44 45.63,98.86 44.85,98.3 44.06,97.77 43.24,97.28 42.41,96.81 41.56,96.38 40.69,95.98 39.81,95.61 38.92,95.27 38.01,94.97 37.09,94.7 36.17,94.47 35.23,94.27 34.29,94.1 33.34,93.97 32.39,93.88 31.44,93.82 30.48,93.8 29.52,93.81 28.57,93.86 27.61,93.95 26.66,94.07 25.72,94.22 24.78,94.41 23.85,94.64 22.93,94.9 22.02,95.2 21.12,95.53 20.23,95.89 19.36,96.29 18.5,96.71 17.66,97.17 16.84,97.66 16.03,98.19 15.25,98.74 14.48,99.32 13.74,99.93 13.02,100.56 12.33,101.23 11.66,101.92 11.01,102.63 10.4,103.37 9.81,104.12 9.25,104.91 8.72,105.71 8.22,106.53 7.75,107.37 7.31,108.22 6.91,109.1 6.54,109.98 6.2,110.88 5.89,111.8 5.62,112.72 5.39,113.65 5.19,114.59 5.02,115.54 4.89,116.5 4.8,117.46 4.74,118.42 4.72,119.38 4.73,120.34 4.78,121.31 4.87,122.27 4.99,123.22 5.14,124.17 5.34,125.12 5.57,126.06 5.83,126.98 6.13,127.9 6.46,128.81 6.82,129.7 7.22,130.58 7.65,131.44 8.12,132.29 8.61,133.12 9.14,133.93 9.69,134.72 10.28,135.49 10.89,136.24 11.53,136.96 12.2,137.66 12.89,138.34 13.61,138.98 14.35,139.6 15.12,140.2 15.9,140.76 16.71,141.29 17.54,141.8 18.38,142.27 19.25,142.71 20.12,143.12 21.02,143.49 21.92,143.83 22.84,144.14 23.77,144.41 24.71,144.65 25.66,144.85 26.62,145.02 27.58,145.15 28.54,145.24 29.51,145.3 30.48,145.32 31.43,145.31 32.37,145.26 33.32,145.18 34.26,145.07 35.2,144.91 36.13,144.73 37.05,144.51 37.96,144.26 38.87,143.97 39.76,143.65 40.65,143.3 41.51,142.92 42.37,142.5 43.21,142.06 44.03,141.58 44.83,141.07 45.62,140.54 46.38,139.98 47.13,139.38 47.85,138.77 48.55,138.12 49.22,137.45 49.88,136.76 50.5,136.04 51.1,135.3 51.67,134.54 52.21,133.76 52.73,132.96 53.21,132.14 53.67,131.3 54.09,130.45 54.48,129.58 54.84,128.7 55.17,127.8 55.47,126.9 55.73,125.98 55.96,125.06 56.15,124.12 56.31,123.18 56.44,122.24 56.53,121.29 56.59,120.33 56.61,119.38 56.59,118.43 56.55,117.47 56.46,116.52 56.35,115.57 56.19,114.63 56.01,113.69 55.79,112.76 55.53,111.84 55.24,110.93 54.92,110.03 54.57,109.14 54.18,108.27 53.76,107.41 53.32,106.56 52.84,105.74 52.33,104.93 51.79,104.14 51.22,103.37 50.62,102.62 50,101.89 49.35,101.18 48.68,100.5 47.98,99.85 47.26,99.22 46.51,98.62 45.75,98.04 44.96,97.5 44.15,96.98 43.33,96.49 42.48,96.03 41.63,95.6 40.75,95.21 39.86,94.85 38.96,94.52 38.05,94.22 37.13,93.96 36.19,93.73 35.25,93.53 34.31,93.37 33.36,93.24 32.4,93.15 31.44,93.09 30.48,93.07 29.52,93.08 28.56,93.13 27.6,93.22 26.65,93.34 25.7,93.49 24.75,93.68 23.82,93.9 22.89,94.15 21.97,94.44 21.07,94.77 20.17,95.12 19.29,95.51 18.43,95.93 17.58,96.39 16.74,96.87 15.93,97.38 15.13,97.93 14.35,98.5 13.6,99.1 12.87,99.72 12.16,100.38 11.47,101.06 10.81,101.76 10.18,102.49 9.57,103.24 8.99,104.01 8.44,104.8 7.92,105.61 7.43,106.44 6.97,107.29 6.54,108.16 6.14,109.04 5.78,109.93 5.44,110.84 5.15,111.76 4.88,112.69 4.65,113.63 4.45,114.57 4.29,115.53 4.16,116.48 4.07,117.45 4.01,118.41 3.99,119.38 4,120.35 4.05,121.31 4.14,122.28 4.26,123.24 4.41,124.2 4.6,125.15 4.82,126.09 5.08,127.02 5.37,127.95 5.7,128.86 6.06,129.76 6.45,130.65 6.87,131.52 7.33,132.37 7.81,133.21 8.33,134.03 8.88,134.84 9.45,135.62 10.06,136.38 10.69,137.11 11.35,137.83 12.03,138.52 12.74,139.18 13.47,139.82 14.23,140.43 15,141.01 15.8,141.57 16.62,142.09 17.46,142.59 18.31,143.05 19.18,143.48 20.07,143.88 20.97,144.25 21.88,144.59 22.81,144.89 23.74,145.16 24.69,145.39 25.64,145.59 26.6,145.75 27.56,145.88 28.53,145.97 29.51,146.03 30.48,146.05 30.48,157.48 ; v1(48.26,200.66) 48.26,199.43 48.04,199.43 47.83,199.47 47.62,199.54 47.42,199.66 47.24,199.81 47.09,199.99 46.97,200.19 46.89,200.42 46.85,200.66 46.85,200.91 46.9,201.16 46.99,201.39 47.12,201.62 47.29,201.82 47.5,201.98 47.73,202.12 47.99,202.21 48.26,202.25 48.54,202.25 48.82,202.19 49.09,202.09 49.33,201.94 49.56,201.75 49.74,201.52 49.89,201.25 49.99,200.96 50.03,200.66 50.03,200.35 49.96,200.04 49.85,199.74 49.68,199.47 49.46,199.23 49.21,199.02 48.91,198.86 48.6,198.76 48.26,198.71 47.95,198.71 47.64,198.77 47.35,198.87 47.07,199.02 46.81,199.21 46.59,199.45 46.41,199.72 46.26,200.01 46.17,200.33 46.12,200.66 46.13,201 46.19,201.33 46.31,201.65 46.47,201.96 46.69,202.23 46.94,202.48 47.23,202.68 47.56,202.83 47.9,202.93 48.26,202.98 48.63,202.97 48.99,202.9 49.34,202.77 49.66,202.59 49.96,202.36 50.22,202.09 50.44,201.77 50.6,201.42 50.71,201.05 50.76,200.66 50.75,200.27 50.67,199.88 50.54,199.5 50.34,199.15 50.09,198.83 49.79,198.55 49.45,198.32 49.08,198.14 48.68,198.03 48.26,197.98 47.88,197.99 47.5,198.06 47.13,198.18 46.77,198.35 46.45,198.57 46.16,198.84 45.91,199.15 45.7,199.49 45.54,199.86 45.44,200.25 45.4,200.66 45.41,201.07 45.48,201.48 45.61,201.87 45.8,202.24 46.03,202.59 46.32,202.9 46.65,203.17 47.02,203.38 47.41,203.55 47.83,203.66 48.26,203.7 48.7,203.69 49.13,203.61 49.55,203.47 49.94,203.28 50.31,203.02 50.64,202.72 50.92,202.37 51.15,201.98 51.32,201.56 51.44,201.12 51.49,200.66 51.47,200.2 51.39,199.74 51.24,199.3 51.03,198.88 50.76,198.49 50.44,198.15 50.07,197.85 49.66,197.61 49.21,197.42 48.74,197.3 48.26,197.25 47.81,197.27 47.37,197.34 46.94,197.47 46.53,197.66 46.14,197.9 45.79,198.19 45.47,198.52 45.2,198.9 44.99,199.3 44.82,199.74 44.72,200.19 44.67,200.66 44.69,201.13 44.76,201.6 44.9,202.05 45.1,202.49 45.35,202.89 45.66,203.26 46.01,203.59 46.4,203.87 46.83,204.1 47.29,204.27 47.77,204.38 48.26,204.43 48.75,204.41 49.24,204.33 49.72,204.19 50.18,203.98 50.6,203.71 50.99,203.39 51.34,203.02 51.63,202.61 51.87,202.16 52.05,201.68 52.16,201.17 52.21,200.66 52.19,200.14 52.11,199.63 51.95,199.13 51.74,198.65 51.46,198.21 51.12,197.8 50.73,197.44 50.3,197.13 49.83,196.88 49.32,196.7 48.8,196.58 48.26,196.53 47.76,196.54 47.26,196.62 46.78,196.75 46.31,196.95 45.87,197.2 45.46,197.5 45.09,197.85 44.76,198.25 44.49,198.68 44.26,199.14 44.1,199.63 43.99,200.14 43.94,200.66 43.96,201.18 44.04,201.7 44.18,202.21 44.39,202.69 44.65,203.15 44.97,203.58 45.33,203.96 45.74,204.3 46.2,204.59 46.68,204.83 47.19,205 47.72,205.11 48.26,205.16 48.8,205.14 49.34,205.05 49.87,204.91 50.38,204.69 50.86,204.42 51.3,204.09 51.7,203.71 52.05,203.28 52.35,202.81 52.6,202.3 52.78,201.77 52.89,201.22 52.94,200.66 52.92,200.09 52.83,199.53 52.68,198.99 52.45,198.46 52.17,197.96 51.83,197.5 51.43,197.08 50.98,196.72 50.49,196.4 49.97,196.15 49.42,195.97 48.84,195.85 48.26,195.8 47.71,195.82 47.17,195.89 46.64,196.03 46.13,196.23 45.64,196.49 45.18,196.8 44.76,197.16 44.38,197.56 44.04,198.01 43.76,198.49 43.54,199.01 43.37,199.54 43.26,200.1 43.22,200.66 43.24,201.23 43.32,201.79 43.46,202.34 43.67,202.87 43.93,203.38 44.26,203.85 44.63,204.29 45.05,204.68 45.51,205.03 46.02,205.32 46.55,205.56 47.1,205.73 47.68,205.84 48.26,205.89 48.85,205.87 49.43,205.78 50,205.63 50.55,205.41 51.07,205.14 51.57,204.81 52.02,204.42 52.43,203.98 52.78,203.5 53.08,202.98 53.33,202.43 53.51,201.86 53.62,201.26 53.67,200.66 53.65,200.05 53.56,199.45 53.4,198.86 53.18,198.29 52.89,197.75 52.55,197.24 52.15,196.77 51.7,196.35 51.2,195.98 50.66,195.67 50.09,195.42 49.5,195.24 48.88,195.12 48.26,195.07 47.67,195.09 47.09,195.17 46.52,195.31 45.97,195.51 45.44,195.77 44.93,196.08 44.46,196.44 44.03,196.86 43.65,197.31 43.31,197.8 43.03,198.33 42.81,198.89 42.64,199.47 42.53,200.06 42.49,200.66 42.51,201.26 42.59,201.86 42.74,202.45 42.94,203.03 43.21,203.58 43.53,204.09 43.91,204.58 44.33,205.02 44.8,205.42 45.31,205.76 45.86,206.05 46.43,206.29 47.03,206.46 47.64,206.57 48.26,206.61 48.88,206.59 49.5,206.51 50.11,206.36 50.7,206.14 51.27,205.87 51.8,205.53 52.3,205.15 52.76,204.71 53.16,204.22 53.52,203.7 53.82,203.14 54.06,202.54 54.24,201.93 54.35,201.3 54.39,200.66 54.37,200.02 54.28,199.38 54.13,198.75 53.91,198.15 53.62,197.56 53.28,197.01 52.88,196.5 52.43,196.03 51.93,195.61 51.39,195.24 50.81,194.93 50.2,194.69 49.57,194.51 48.92,194.39 48.26,194.34 47.64,194.36 47.02,194.44 46.42,194.58 45.83,194.78 45.26,195.04 44.71,195.35 44.2,195.72 43.73,196.13 43.3,196.59 42.91,197.09 42.58,197.62 42.3,198.19 42.07,198.78 41.91,199.4 41.8,200.02 41.76,200.66 41.78,201.3 41.86,201.93 42.01,202.56 42.21,203.16 42.48,203.75 42.8,204.31 43.18,204.83 43.6,205.32 44.07,205.76 44.59,206.16 45.14,206.5 45.72,206.79 46.33,207.02 46.96,207.19 47.61,207.3 48.26,207.34 48.92,207.32 49.57,207.23 50.21,207.08 50.83,206.87 51.44,206.6 52.01,206.27 52.55,205.88 53.05,205.45 53.5,204.96 53.91,204.43 54.26,203.87 54.56,203.27 54.79,202.64 54.97,201.99 55.08,201.33 55.12,200.66 55.1,199.99 55.01,199.32 54.86,198.66 54.64,198.02 54.36,197.4 54.02,196.81 53.63,196.26 53.18,195.74 52.68,195.28 52.14,194.86 51.55,194.5 50.94,194.2 50.29,193.95 49.63,193.77 48.95,193.66 48.26,193.62 47.61,193.64 46.96,193.72 46.32,193.86 45.7,194.05 45.1,194.31 44.52,194.62 43.97,194.98 43.46,195.39 42.98,195.85 42.55,196.35 42.17,196.89 41.84,197.46 41.56,198.07 41.34,198.69 41.18,199.34 41.08,199.99 41.04,200.66 41.06,201.33 41.14,201.99 41.28,202.65 41.48,203.29 41.74,203.9 42.06,204.5 42.43,205.06 42.86,205.58 43.33,206.07 43.84,206.51 44.39,206.9 44.98,207.24 45.6,207.53 46.24,207.75 46.9,207.92 47.58,208.02 48.26,208.07 48.94,208.05 49.62,207.96 50.3,207.81 50.95,207.61 51.59,207.34 52.19,207.01 52.77,206.63 53.31,206.2 53.8,205.71 54.26,205.19 54.66,204.62 55,204.02 55.3,203.39 55.53,202.73 55.7,202.05 55.81,201.36 55.85,200.66 55.83,199.96 55.74,199.26 55.59,198.57 55.38,197.9 55.1,197.25 54.77,196.63 54.38,196.04 53.93,195.49 53.44,194.98 52.9,194.52 52.32,194.11 51.7,193.75 51.05,193.45 50.38,193.22 49.68,193.04 48.98,192.93 48.26,192.89 47.58,192.91 46.91,192.99 46.24,193.13 45.59,193.32 44.95,193.57 44.34,193.88 43.76,194.24 43.21,194.65 42.7,195.1 42.23,195.6 41.8,196.14 41.43,196.71 41.1,197.32 40.83,197.95 40.61,198.61 40.45,199.28 40.35,199.97 40.31,200.66 40.33,201.35 40.41,202.04 40.55,202.73 40.75,203.39 41.01,204.04 41.32,204.67 41.69,205.26 42.11,205.82 42.57,206.35 43.08,206.83 43.64,207.26 44.22,207.65 44.84,207.99 45.49,208.27 46.16,208.49 46.85,208.65 47.55,208.75 48.26,208.79 48.97,208.77 49.68,208.69 50.37,208.55 51.06,208.34 51.72,208.08 52.36,207.76 52.97,207.38 53.54,206.95 54.08,206.48 54.57,205.95 55.01,205.39 55.41,204.79 55.75,204.15 56.04,203.49 56.26,202.8 56.43,202.1 56.53,201.38 56.58,200.66 56.55,199.93 56.47,199.21 56.32,198.5 56.11,197.8 55.84,197.12 55.51,196.47 55.13,195.85 54.69,195.26 54.2,194.72 53.67,194.21 53.09,193.76 52.48,193.35 51.83,193 51.15,192.71 50.45,192.48 49.73,192.31 49,192.21 48.26,192.16 47.56,192.18 46.86,192.26 46.17,192.4 45.49,192.59 44.83,192.83 44.19,193.14 43.58,193.49 42.99,193.89 42.45,194.35 41.94,194.84 41.47,195.38 41.05,195.95 40.68,196.56 40.36,197.19 40.09,197.85 39.87,198.54 39.72,199.23 39.62,199.94 39.58,200.66 39.6,201.38 39.68,202.09 39.82,202.8 40.02,203.49 40.27,204.17 40.58,204.82 40.94,205.44 41.35,206.04 41.81,206.6 42.32,207.12 42.86,207.59 43.45,208.02 44.07,208.4 44.72,208.73 45.4,209 46.09,209.22 46.8,209.38 47.53,209.48 48.26,209.52 48.99,209.5 49.72,209.42 50.44,209.28 51.15,209.08 51.84,208.82 52.5,208.5 53.14,208.13 53.75,207.71 54.32,207.24 54.85,206.73 55.34,206.17 55.77,205.57 56.16,204.94 56.5,204.27 56.78,203.58 57,202.87 57.16,202.15 57.26,201.41 57.3,200.66 57.28,199.91 57.2,199.17 57.05,198.43 56.85,197.71 56.58,197.01 56.26,196.33 55.89,195.68 55.46,195.06 54.98,194.48 54.45,193.94 53.88,193.44 53.27,192.99 52.62,192.6 51.95,192.26 51.24,191.97 50.52,191.75 49.78,191.58 49.02,191.48 48.26,191.44 47.54,191.46 46.81,191.53 46.1,191.66 45.4,191.85 44.71,192.1 44.05,192.39 43.41,192.74 42.8,193.14 42.22,193.58 41.67,194.07 41.17,194.6 40.71,195.17 40.29,195.78 39.93,196.41 39.61,197.08 39.35,197.76 39.14,198.47 38.99,199.19 38.89,199.92 38.85,200.66 38.87,201.4 38.95,202.13 39.09,202.86 39.28,203.58 39.53,204.28 39.83,204.95 40.19,205.61 40.59,206.23 41.05,206.82 41.54,207.38 42.09,207.89 42.67,208.36 43.28,208.78 43.93,209.15 44.61,209.48 45.31,209.74 46.03,209.96 46.76,210.11 47.51,210.21 48.26,210.25 49.01,210.23 49.76,210.15 50.5,210.01 51.23,209.81 51.95,209.56 52.64,209.25 53.3,208.89 53.94,208.48 54.54,208.01 55.1,207.5 55.63,206.95 56.1,206.36 56.54,205.73 56.92,205.07 57.24,204.38 57.52,203.67 57.73,202.93 57.89,202.19 57.99,201.43 58.03,200.66 58.01,199.89 57.93,199.13 57.79,198.37 57.59,197.63 57.33,196.9 57.01,196.2 56.64,195.52 56.22,194.88 55.75,194.26 55.23,193.69 54.67,193.16 54.07,192.67 53.43,192.23 52.75,191.84 52.05,191.51 51.32,191.23 50.58,191.01 49.81,190.85 49.04,190.75 48.26,190.71 47.52,190.73 46.77,190.8 46.04,190.93 45.32,191.12 44.61,191.36 43.92,191.65 43.25,191.99 42.62,192.38 42.01,192.82 41.43,193.3 40.9,193.83 40.4,194.39 39.95,194.99 39.54,195.62 39.18,196.29 38.87,196.97 38.61,197.68 38.41,198.41 38.26,199.15 38.16,199.9 38.13,200.66 38.15,201.42 38.22,202.17 38.36,202.92 38.54,203.66 38.79,204.38 39.08,205.08 39.43,205.76 39.83,206.41 40.28,207.03 40.77,207.61 41.3,208.16 41.88,208.66 42.49,209.13 43.13,209.54 43.81,209.91 44.51,210.22 45.23,210.48 45.97,210.69 46.73,210.84 47.49,210.94 48.26,210.97 49.03,210.95 49.8,210.88 50.56,210.74 51.31,210.55 52.04,210.3 52.76,210 53.45,209.65 54.11,209.24 54.74,208.79 55.33,208.28 55.89,207.74 56.41,207.16 56.88,206.53 57.3,205.88 57.67,205.19 57.99,204.48 58.26,203.74 58.47,202.99 58.62,202.22 58.72,201.44 58.76,200.66 58.74,199.87 58.66,199.09 58.52,198.32 58.32,197.56 58.07,196.81 57.76,196.08 57.4,195.38 56.99,194.71 56.53,194.07 56.02,193.46 55.46,192.9 54.87,192.37 54.24,191.89 53.57,191.47 52.87,191.09 52.15,190.76 51.4,190.49 50.63,190.28 49.85,190.12 49.06,190.02 48.26,189.98 47.5,190 46.74,190.07 45.98,190.2 45.24,190.38 44.51,190.62 43.8,190.9 43.11,191.24 42.45,191.62 41.82,192.05 41.21,192.53 40.65,193.05 40.12,193.6 39.63,194.2 39.18,194.82 38.78,195.48 38.43,196.17 38.12,196.88 37.87,197.61 37.67,198.36 37.53,199.12 37.44,199.89 37.4,200.66 37.42,201.44 37.49,202.21 37.62,202.97 37.81,203.73 38.05,204.47 38.34,205.19 38.68,205.89 39.07,206.57 39.51,207.21 39.99,207.83 40.52,208.4 41.08,208.94 41.69,209.44 42.33,209.89 43,210.3 43.69,210.66 44.42,210.97 45.16,211.22 45.92,211.42 46.69,211.57 47.47,211.67 48.26,211.7 49.05,211.68 49.83,211.61 50.61,211.47 51.38,211.29 52.13,211.04 52.87,210.75 53.58,210.4 54.27,210 54.92,209.56 55.54,209.07 56.13,208.53 56.68,207.96 57.19,207.34 57.65,206.69 58.06,206.01 58.42,205.3 58.74,204.57 59,203.81 59.2,203.04 59.35,202.25 59.45,201.46 59.48,200.66 59.46,199.86 59.39,199.06 59.25,198.27 59.06,197.49 58.81,196.72 58.51,195.98 58.16,195.25 57.76,194.56 57.3,193.89 56.8,193.26 56.26,192.66 55.67,192.1 55.05,191.59 54.39,191.12 53.7,190.7 52.98,190.33 52.23,190.01 51.46,189.75 50.68,189.54 49.88,189.39 49.07,189.29 48.26,189.25 47.48,189.27 46.7,189.35 45.93,189.47 45.17,189.65 44.43,189.88 43.7,190.16 42.99,190.48 42.3,190.86 41.64,191.28 41.01,191.75 40.42,192.26 39.86,192.81 39.33,193.4 38.85,194.02 38.41,194.67 